# KiCad board temp sensor_panel.kicad_pcb (continued)
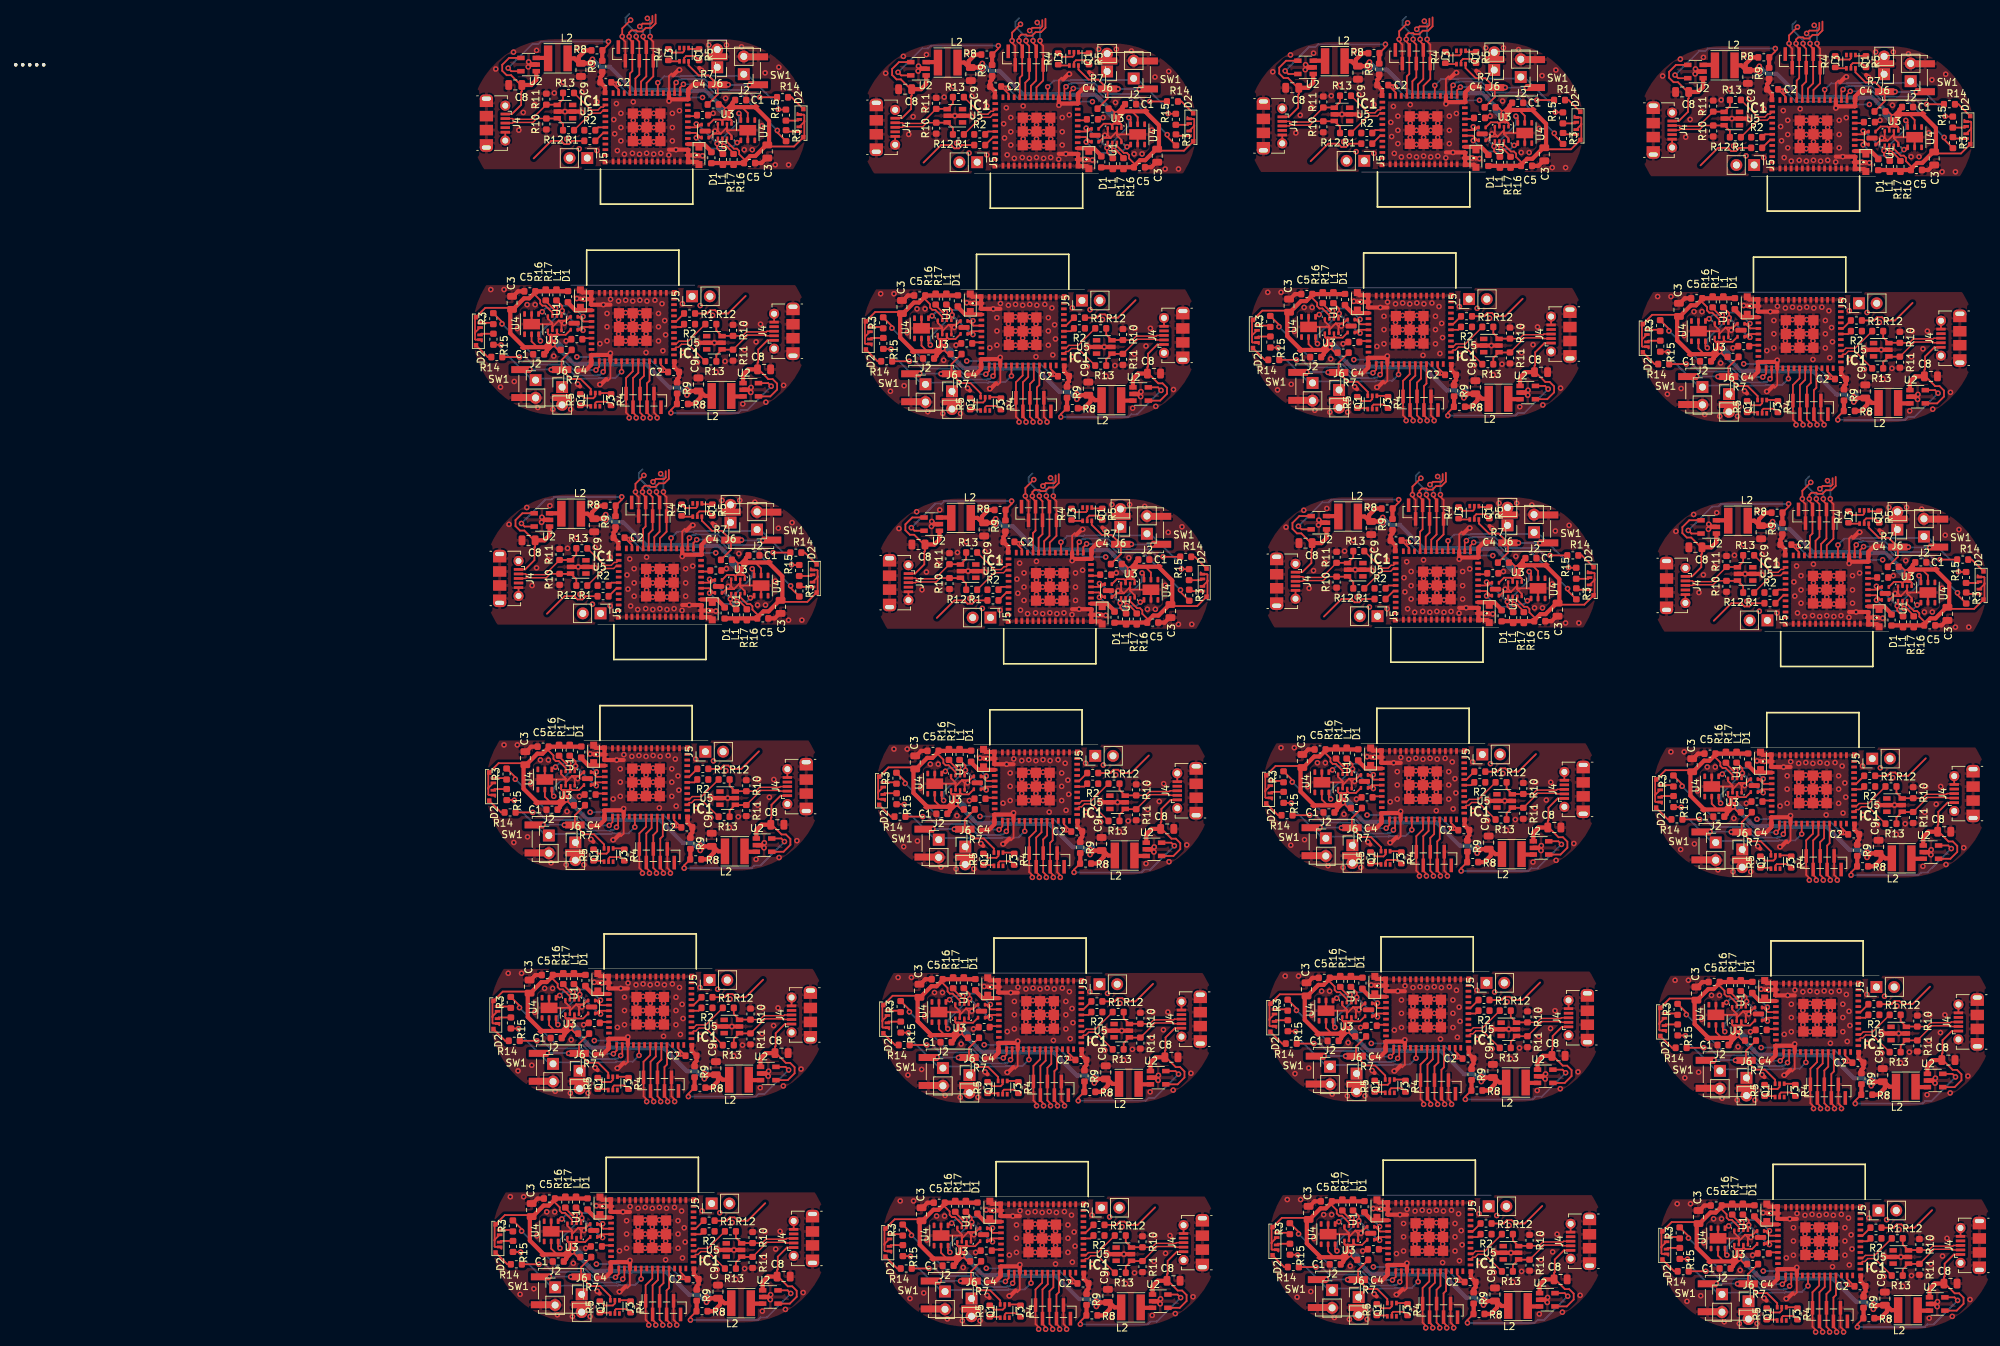
[diagram p0: board, top side]
## Routing (per net, layer and track width the routed paths; a pad name or vN(x,y) marks a point on that pad's centre or on a via; arc(x,y) is an arc through that point) (continued)
/IO33_pico: length 416.4
  Top w0.25: IC1.13 4.89,118.71 v1(4.66,118.48) ; v1(-7.32,120.6) R14.1 ; IC1#2.13 14.87,159.68 v1(15.1,159.91) ; v1(27.08,157.8) R14#2.1 ; IC1#4.13 60.69,118.11 v1(60.46,117.88) ; v1(48.48,120) R14#4.1 ; IC1#3.13 70.67,159.08 v1(70.9,159.31) ; v1(82.88,157.2) R14#3.1 ; IC1#6.13 116.09,118.31 v1(115.86,118.08) ; v1(103.88,120.2) R14#6.1 ; IC1#5.13 126.07,159.28 v1(126.3,159.51) ; v1(138.28,157.4) R14#5.1 ; v1(171.66,117.48) 171.89,117.71 IC1#8.13 ; v1(159.68,119.6) R14#8.1 ; IC1#7.13 181.87,158.68 v1(182.1,158.91) ; v1(194.08,156.8) R14#7.1 ; IC1#10.13 6.79,53.51 v1(6.56,53.28) ; v1(-5.42,55.4) R14#10.1 ; IC1#9.13 16.77,94.48 v1(17,94.71) ; v1(28.98,92.6) R14#9.1 ; v1(62.36,52.68) 62.59,52.91 IC1#13.13 ; v1(50.38,54.8) R14#13.1 ; IC1#12.13 72.57,93.88 v1(72.8,94.11) ; v1(84.78,92) R14#12.1 ; IC1#15.13 117.99,53.11 v1(117.76,52.88) ; v1(105.78,55) R14#15.1 ; v1(128.2,94.31) 127.97,94.08 IC1#14.13 ; v1(140.18,92.2) R14#14.1 ; IC1#11.13 173.79,52.51 v1(173.56,52.28) ; v1(161.58,54.4) R14#11.1 ; IC1#16.13 183.77,93.48 v1(184,93.71) ; v1(195.98,91.6) R14#16.1 ; IC1#18.13 7.39,20.81 v1(7.16,20.58) ; v1(-4.82,22.7) R14#18.1 ; IC1#20.13 63.19,20.21 v1(62.96,19.98) ; IC1#17.13 118.59,20.41 v1(118.36,20.18) ; v1(106.38,22.3) R14#17.1 ; IC1#19.13 174.39,19.81 v1(174.16,19.58) ; v1(162.18,21.7) R14#19.1 ; v1(50.98,22.1) R14#20.1 ; IC1#22.13 174.69,-12.19 v1(174.46,-12.42) ; v1(106.68,-9.7) R14#22.1 ; v1(118.66,-11.82) 118.89,-11.59 IC1#23.13 ; IC1#21.13 7.69,-11.19 v1(7.46,-11.42) ; v1(-4.52,-9.3) R14#21.1 ; IC1#24.13 63.49,-11.79 v1(63.26,-12.02) ; v1(162.48,-10.3) R14#23.1 ; v1(51.28,-9.9) R14#24.1
  Bottom w0.25: v1(-7.32,120.6) -6.5,120.6 -5.43,119.52 -0.96,119.52 0.59,117.97 3.78,117.97 3.86,118.05 4.23,118.05 v1(4.66,118.48) ; v1(27.08,157.8) 26.27,157.8 25.19,158.87 20.72,158.87 19.17,160.42 15.98,160.42 15.9,160.34 15.53,160.34 v1(15.1,159.91) ; v1(48.48,120) 49.3,120 50.37,118.92 54.84,118.92 56.39,117.37 59.58,117.37 59.66,117.45 60.03,117.45 v1(60.46,117.88) ; v1(70.9,159.31) 71.33,159.74 71.7,159.74 71.78,159.82 74.97,159.82 76.52,158.27 80.99,158.27 82.07,157.2 v1(82.88,157.2) ; v1(103.88,120.2) 104.7,120.2 105.77,119.12 110.24,119.12 111.79,117.57 114.98,117.57 115.06,117.65 115.43,117.65 v1(115.86,118.08) ; v1(126.3,159.51) 126.73,159.94 127.1,159.94 127.18,160.02 130.37,160.02 131.92,158.47 136.39,158.47 137.47,157.4 v1(138.28,157.4) ; v1(171.66,117.48) 171.23,117.05 170.86,117.05 170.78,116.97 167.59,116.97 166.04,118.52 161.57,118.52 160.5,119.6 v1(159.68,119.6) ; v1(194.08,156.8) 193.27,156.8 192.19,157.87 187.72,157.87 186.17,159.42 182.98,159.42 182.9,159.34 182.53,159.34 v1(182.1,158.91) ; v1(-5.42,55.4) -4.6,55.4 -3.53,54.32 0.94,54.32 2.49,52.77 5.68,52.77 5.76,52.85 6.13,52.85 v1(6.56,53.28) ; v1(17,94.71) 17.43,95.14 17.8,95.14 17.88,95.22 21.07,95.22 22.62,93.67 27.09,93.67 28.17,92.6 v1(28.98,92.6) ; v1(62.36,52.68) 61.93,52.25 61.56,52.25 61.48,52.17 58.29,52.17 56.74,53.72 52.27,53.72 51.2,54.8 v1(50.38,54.8) ; v1(84.78,92) 83.97,92 82.89,93.07 78.42,93.07 76.87,94.62 73.68,94.62 73.6,94.54 73.23,94.54 v1(72.8,94.11) ; v1(117.76,52.88) 117.33,52.45 116.96,52.45 116.88,52.37 113.69,52.37 112.14,53.92 107.67,53.92 106.6,55 v1(105.78,55) ; v1(140.18,92.2) 139.37,92.2 138.29,93.27 133.82,93.27 132.27,94.82 129.08,94.82 129,94.74 128.63,94.74 v1(128.2,94.31) ; v1(161.58,54.4) 162.4,54.4 163.47,53.32 167.94,53.32 169.49,51.77 172.68,51.77 172.76,51.85 173.13,51.85 v1(173.56,52.28) ; v1(195.98,91.6) 195.17,91.6 194.09,92.67 189.62,92.67 188.07,94.22 184.88,94.22 184.8,94.14 184.43,94.14 v1(184,93.71) ; v1(-4.82,22.7) -4,22.7 -2.93,21.62 1.54,21.62 3.09,20.07 6.28,20.07 6.36,20.15 6.73,20.15 v1(7.16,20.58) ; v1(50.98,22.1) 51.8,22.1 52.87,21.02 57.34,21.02 58.89,19.47 62.08,19.47 62.16,19.55 62.53,19.55 v1(62.96,19.98) ; v1(106.38,22.3) 107.2,22.3 108.27,21.22 112.74,21.22 114.29,19.67 117.48,19.67 117.56,19.75 117.93,19.75 v1(118.36,20.18) ; v1(162.18,21.7) 163,21.7 164.07,20.62 168.54,20.62 170.09,19.07 173.28,19.07 173.36,19.15 173.73,19.15 v1(174.16,19.58) ; v1(162.48,-10.3) 163.3,-10.3 164.37,-11.38 168.84,-11.38 170.39,-12.93 173.58,-12.93 173.66,-12.85 174.03,-12.85 v1(174.46,-12.42) ; v1(118.66,-11.82) 118.23,-12.25 117.86,-12.25 117.78,-12.33 114.59,-12.33 113.04,-10.78 108.57,-10.78 107.5,-9.7 v1(106.68,-9.7) ; v1(-4.52,-9.3) -3.7,-9.3 -2.63,-10.38 1.84,-10.38 3.39,-11.93 6.58,-11.93 6.66,-11.85 7.03,-11.85 v1(7.46,-11.42) ; v1(51.28,-9.9) 52.1,-9.9 53.17,-10.98 57.64,-10.98 59.19,-12.53 62.38,-12.53 62.46,-12.45 62.83,-12.45 v1(63.26,-12.02)
/RTS: length 37.2
  Top w0.25: Q1.1 2.76,113.67 R5.1 ; R5#2.1 17.01,164.72 Q1#2.1 ; R5#4.1 58.56,113.07 Q1#4.1 ; Q1#3.1 72.81,164.12 R5#3.1 ; R5#6.1 113.96,113.27 Q1#6.1 ; Q1#5.1 128.21,164.32 R5#5.1 ; Q1#8.1 169.76,112.67 R5#8.1 ; R5#7.1 184.01,163.72 Q1#7.1 ; R5#10.1 4.66,48.47 Q1#10.1 ; Q1#9.1 18.91,99.52 R5#9.1 ; Q1#13.1 60.46,47.87 R5#13.1 ; 76.08,98.92 74.71,98.92 Q1#12.1 ; R5#15.1 115.86,48.07 Q1#15.1 ; Q1#14.1 130.11,99.12 R5#14.1 ; Q1#11.1 171.66,47.47 R5#11.1 ; R5#16.1 185.91,98.52 Q1#16.1 ; R5#18.1 5.26,15.77 Q1#17.1 ; R5#20.1 61.06,15.17 Q1#19.1 ; R5#17.1 116.46,15.37 Q1#20.1 ; R5#19.1 172.26,14.77 Q1#18.1 ; R5#22.1 172.56,-17.23 Q1#21.1 ; Q1#24.1 116.76,-16.63 R5#23.1 ; R5#21.1 5.56,-16.23 Q1#22.1 ; R5#24.1 61.36,-16.83 Q1#23.1
/TDX0: length 210.9
  Top w0.25: 25.05,129.35 22.54,126.84 21.05,126.84 21.05,126.93 20.67,127.31 19.97,127.31 19.59,126.93 19.59,126.84 R1.2 ; R1#2.2 0.17,151.56 0.17,151.46 -0.21,151.08 -0.9,151.08 -1.28,151.46 -1.28,151.56 -2.78,151.56 -5.29,149.05 ; R1#4.2 75.39,126.24 75.39,126.33 75.77,126.71 76.47,126.71 76.85,126.33 76.85,126.24 78.34,126.24 80.85,128.75 ; R1#3.2 55.97,150.96 55.97,150.86 55.59,150.48 54.9,150.48 54.52,150.86 54.52,150.96 53.02,150.96 50.51,148.45 ; R1#6.2 130.79,126.44 130.79,126.53 131.17,126.91 131.87,126.91 132.25,126.53 132.25,126.44 133.74,126.44 136.25,128.95 ; R1#5.2 111.37,151.16 111.37,151.06 110.99,150.68 110.3,150.68 109.92,151.06 109.92,151.16 108.42,151.16 105.91,148.65 ; 192.05,128.35 189.54,125.84 188.05,125.84 188.05,125.93 187.67,126.31 186.97,126.31 186.59,125.93 186.59,125.84 R1#8.2 ; R1#7.2 167.17,150.56 167.17,150.46 166.79,150.08 166.1,150.08 165.72,150.46 165.72,150.56 164.22,150.56 161.71,148.05 ; R1#10.2 21.49,61.64 21.49,61.73 21.87,62.11 22.57,62.11 22.95,61.73 22.95,61.64 24.44,61.64 26.95,64.15 ; R1#9.2 2.07,86.36 2.07,86.26 1.69,85.88 1,85.88 0.62,86.26 0.62,86.36 -0.88,86.36 -3.39,83.85 ; 82.75,63.55 80.24,61.04 78.75,61.04 78.75,61.13 78.37,61.51 77.67,61.51 77.29,61.13 77.29,61.04 R1#13.2 ; R1#12.2 57.87,85.76 57.87,85.66 57.49,85.28 56.8,85.28 56.42,85.66 56.42,85.76 54.92,85.76 52.41,83.25 ; 138.15,63.75 135.64,61.24 134.15,61.24 134.15,61.33 133.77,61.71 133.07,61.71 132.69,61.33 132.69,61.24 R1#15.2 ; R1#14.2 113.27,85.96 113.27,85.86 112.89,85.48 112.2,85.48 111.82,85.86 111.82,85.96 110.32,85.96 107.81,83.45 ; 193.95,63.15 191.44,60.64 189.95,60.64 189.95,60.73 189.57,61.11 188.87,61.11 188.49,60.73 188.49,60.64 R1#11.2 ; 163.61,82.85 166.12,85.36 167.62,85.36 167.62,85.26 168,84.88 168.69,84.88 169.07,85.26 169.07,85.36 R1#16.2 ; 83.35,30.85 80.84,28.34 79.35,28.34 79.35,28.43 78.97,28.81 78.27,28.81 77.89,28.43 77.89,28.34 R1#20.2 ; R1#17.2 133.29,28.54 133.29,28.63 133.67,29.01 134.37,29.01 134.75,28.63 134.75,28.54 136.24,28.54 138.75,31.05 ; 194.55,30.45 192.04,27.94 190.55,27.94 190.55,28.03 190.17,28.41 189.47,28.41 189.09,28.03 189.09,27.94 R1#19.2 ; 27.55,31.45 25.04,28.94 23.55,28.94 23.55,29.03 23.17,29.41 22.47,29.41 22.09,29.03 22.09,28.94 R1#18.2 ; R1#24.2 78.19,-3.66 78.19,-3.57 78.57,-3.19 79.27,-3.19 79.65,-3.57 79.65,-3.66 81.14,-3.66 83.65,-1.15 ; 194.85,-1.55 192.34,-4.06 190.85,-4.06 190.85,-3.97 190.47,-3.59 189.77,-3.59 189.39,-3.97 189.39,-4.06 R1#22.2 ; R1#21.2 22.39,-3.06 22.39,-2.97 22.77,-2.59 23.47,-2.59 23.85,-2.97 23.85,-3.06 25.34,-3.06 27.85,-0.55 ; R1#23.2 133.59,-3.46 133.59,-3.37 133.97,-2.99 134.67,-2.99 135.05,-3.37 135.05,-3.46 136.54,-3.46 139.05,-0.95
  vias: v1(1.22,150.41) v1(3.12,85.21) v1(18.54,127.98) v1(20.44,62.78) v1(21.04,30.08) v1(21.34,-1.92) v1(57.02,149.81) v1(58.92,84.61) v1(74.34,127.38) v1(76.24,62.18) v1(76.84,29.48) v1(77.14,-2.52) v1(112.42,150.01) v1(114.32,84.81) v1(129.74,127.58) v1(131.64,62.38) v1(132.24,29.68) v1(132.54,-2.32) v1(168.22,149.41) v1(170.12,84.21) v1(185.54,126.98) v1(187.44,61.78) v1(188.04,29.08) v1(188.34,-2.92)
Net-(D2-Pad2): length 47.3
  Top w0.25: D2.2 -11.27,125.51 R3.2 ; D2#2.2 31.03,152.89 R3#2.2 ; D2#4.2 44.53,124.91 R3#4.2 ; R3#3.2 86.83,152.29 D2#3.2 ; D2#6.2 99.93,125.11 R3#6.2 ; R3#5.2 142.23,152.49 D2#5.2 ; R3#8.2 155.73,124.51 D2#8.2 ; R3#7.2 198.03,151.89 D2#7.2 ; D2#10.2 -9.37,60.31 R3#10.2 ; R3#9.2 32.93,87.69 D2#9.2 ; R3#13.2 46.43,59.71 D2#12.2 ; R3#12.2 88.73,87.09 D2#11.2 ; D2#14.2 101.83,59.91 R3#15.2 ; D2#13.2 144.13,87.29 R3#14.2 ; R3#11.2 157.63,59.31 D2#16.2 ; R3#16.2 199.93,86.69 D2#15.2 ; R3#20.2 47.03,27.01 D2#20.2 ; D2#18.2 102.43,27.21 R3#17.2 ; R3#19.2 158.23,26.61 D2#17.2 ; R3#18.2 -8.77,27.61 D2#19.2 ; D2#24.2 47.33,-4.99 R3#24.2 ; R3#21.2 158.53,-5.39 D2#21.2 ; R3#23.2 -8.47,-4.39 D2#22.2 ; D2#23.2 102.73,-4.79 R3#22.2
Net-(D2-Pad4): length 47.6
  Top w0.25: R15.2 -12.78,123.94 D2.4 ; D2#2.4 32.55,154.45 R15#2.2 ; D2#4.4 43.02,123.34 R15#4.2 ; D2#3.4 88.35,153.85 R15#3.2 ; D2#6.4 98.42,123.54 R15#6.2 ; D2#5.4 143.75,154.05 R15#5.2 ; R15#8.2 154.22,122.94 D2#8.4 ; R15#7.2 199.55,153.45 D2#7.4 ; D2#10.4 -10.88,58.74 R15#10.2 ; D2#9.4 34.45,89.25 R15#9.2 ; R15#13.2 44.92,58.14 D2#12.4 ; R15#12.2 90.25,88.65 D2#11.4 ; R15#15.2 100.32,58.34 D2#14.4 ; D2#13.4 145.65,88.85 R15#14.2 ; D2#16.4 156.12,57.74 R15#11.2 ; R15#16.2 201.45,88.25 D2#15.4 ; R15#18.2 -10.28,26.04 D2#19.4 ; D2#20.4 45.52,25.44 R15#20.2 ; R15#17.2 100.92,25.64 D2#18.4 ; D2#17.4 156.72,25.04 R15#19.2 ; R15#23.2 157.02,-6.96 D2#21.4 ; D2#23.4 101.22,-6.36 R15#21.2 ; R15#22.2 -9.98,-5.96 D2#22.4 ; D2#24.4 45.82,-6.56 R15#24.2
Net-(D2-Pad6): length 69.2
  Top w0.25: D2.6 -11.86,120.6 R14.2 ; D2#2.6 31.63,157.8 R14#2.2 ; D2#4.6 43.94,120 R14#4.2 ; D2#3.6 87.43,157.2 R14#3.2 ; D2#6.6 99.34,120.2 R14#6.2 ; D2#5.6 142.83,157.4 R14#5.2 ; 153.46,121.28 155.14,119.6 R14#8.2 ; D2#7.6 198.63,156.8 R14#7.2 ; D2#10.6 -9.96,55.4 R14#10.2 ; D2#9.6 33.53,92.6 R14#9.2 ; D2#12.6 45.84,54.8 R14#13.2 ; D2#11.6 89.33,92 R14#12.2 ; D2#14.6 101.24,55 R14#15.2 ; D2#13.6 144.73,92.2 R14#14.2 ; D2#16.6 157.04,54.4 R14#11.2 ; D2#15.6 200.53,91.6 R14#16.2 ; D2#19.6 -9.36,22.7 R14#18.2 ; R14#20.2 46.44,22.1 D2#20.6 ; R14#17.2 101.84,22.3 D2#18.6 ; 155.96,23.38 157.64,21.7 R14#19.2 ; 100.46,-8.02 102.14,-9.7 R14#22.2 ; -10.74,-7.62 -9.06,-9.3 R14#21.2 ; R14#24.2 46.74,-9.9 D2#24.6 ; D2#21.6 157.94,-10.3 R14#23.2
Net-(IC1-Pad30): length 38.7
  Top w0.25: R2.1 15.82,124.9 IC1.30 ; R2#2.1 3.95,153.49 IC1#2.30 ; R2#4.1 71.62,124.3 IC1#4.30 ; R2#3.1 59.75,152.89 IC1#3.30 ; R2#6.1 127.02,124.5 IC1#6.30 ; R2#5.1 115.15,153.09 IC1#5.30 ; R2#8.1 182.82,123.9 IC1#8.30 ; R2#7.1 170.95,152.49 IC1#7.30 ; R2#10.1 17.72,59.7 IC1#10.30 ; R2#9.1 5.85,88.29 IC1#9.30 ; R2#13.1 73.52,59.1 IC1#13.30 ; R2#12.1 61.65,87.69 IC1#12.30 ; R2#15.1 128.92,59.3 IC1#15.30 ; IC1#14.30 117.05,87.89 R2#14.1 ; R2#11.1 184.72,58.7 IC1#11.30 ; R2#16.1 172.85,87.29 IC1#16.30 ; R2#20.1 74.12,26.4 IC1#20.30 ; R2#17.1 129.52,26.6 IC1#17.30 ; R2#19.1 185.32,26 IC1#19.30 ; IC1#18.30 18.32,27 R2#18.1 ; R2#24.1 74.42,-5.6 IC1#24.30 ; IC1#22.30 185.62,-6 R2#21.1 ; IC1#21.30 18.62,-5 R2#23.1 ; R2#22.1 129.82,-5.4 IC1#23.30
Net-(IC1-Pad31): length 43.7
  Top w0.25: 16.23,126.62 16.01,126.62 15.09,125.7 IC1.31 ; 3.53,151.77 3.75,151.77 4.67,152.69 IC1#2.31 ; 72.03,126.02 71.81,126.02 70.89,125.1 IC1#4.31 ; IC1#3.31 60.47,152.09 59.55,151.17 59.33,151.17 ; 127.43,126.22 127.21,126.22 126.29,125.3 IC1#6.31 ; IC1#5.31 115.87,152.29 114.95,151.37 114.73,151.37 ; IC1#8.31 182.09,124.7 183.01,125.62 183.23,125.62 ; IC1#7.31 171.67,151.69 170.75,150.77 170.53,150.77 ; 18.13,61.42 17.91,61.42 16.99,60.5 IC1#10.31 ; IC1#9.31 6.57,87.49 5.65,86.57 5.43,86.57 ; IC1#13.31 72.79,59.9 73.71,60.82 73.93,60.82 ; IC1#12.31 62.37,86.89 61.45,85.97 61.23,85.97 ; 129.33,61.02 129.11,61.02 128.19,60.1 IC1#15.31 ; IC1#14.31 117.77,87.09 116.85,86.17 116.63,86.17 ; IC1#11.31 183.99,59.5 184.91,60.42 185.13,60.42 ; IC1#16.31 173.57,86.49 172.65,85.57 172.43,85.57 ; IC1#20.31 73.39,27.2 74.31,28.12 74.53,28.12 ; 129.93,28.32 129.71,28.32 128.79,27.4 IC1#17.31 ; IC1#19.31 184.59,26.8 185.51,27.72 185.73,27.72 ; IC1#18.31 17.59,27.8 18.51,28.72 18.73,28.72 ; 74.83,-3.88 74.61,-3.88 73.69,-4.8 IC1#24.31 ; IC1#22.31 184.89,-5.2 185.81,-4.28 186.03,-4.28 ; IC1#21.31 17.89,-4.2 18.81,-3.28 19.03,-3.28 ; 130.23,-3.68 130.01,-3.68 129.09,-4.6 IC1#23.31
Net-(L2-Pad1): length 41.2
  Top w0.6: L2.1 23.05,114.96 U2.3 ; L2#2.1 -3.29,163.43 -4.92,163.43 ; L2#4.1 78.85,114.36 U2#4.3 ; U2#3.3 52.51,162.83 L2#3.1 ; L2#6.1 134.25,114.56 U2#6.3 ; U2#5.3 107.91,163.03 L2#5.1 ; L2#8.1 190.05,113.96 U2#8.3 ; U2#7.3 163.71,162.43 L2#7.1 ; L2#10.1 24.95,49.76 U2#10.3 ; U2#9.3 -1.39,98.23 L2#9.1 ; L2#13.1 80.75,49.16 U2#13.3 ; U2#12.3 54.41,97.63 L2#12.1 ; L2#15.1 136.15,49.36 U2#15.3 ; U2#14.3 109.81,97.83 L2#14.1 ; L2#11.1 191.95,48.76 U2#11.3 ; U2#16.3 165.61,97.23 L2#16.1 ; L2#18.1 25.55,17.06 27.18,17.06 ; U2#19.3 81.35,16.46 L2#20.1 ; L2#17.1 136.75,16.66 U2#20.3 ; L2#19.1 192.55,16.06 U2#18.3 ; U2#24.3 137.05,-15.34 L2#22.1 ; L2#21.1 25.85,-14.94 U2#21.3 ; U2#23.3 81.65,-15.54 L2#24.1 ; L2#23.1 192.85,-15.94 U2#22.3
Net-(Q1-Pad2): length 72.1
  Top w0.25: Q1.2 3.53,114.01 3.72,114.2 5.26,114.2 R4.2 ; Q1#2.2 16.23,164.39 16.04,164.2 14.51,164.2 R4#2.2 ; Q1#4.2 59.33,113.41 59.52,113.6 61.06,113.6 R4#4.2 ; Q1#3.2 72.03,163.79 71.84,163.6 70.31,163.6 R4#3.2 ; Q1#6.2 114.73,113.61 114.92,113.8 116.46,113.8 R4#6.2 ; Q1#5.2 127.43,163.99 127.24,163.8 125.71,163.8 R4#5.2 ; Q1#8.2 170.53,113.01 170.72,113.2 172.26,113.2 R4#8.2 ; Q1#7.2 183.23,163.39 183.04,163.2 181.51,163.2 R4#7.2 ; Q1#10.2 5.43,48.81 5.62,49 7.16,49 R4#10.2 ; Q1#9.2 18.13,99.19 17.94,99 16.41,99 R4#9.2 ; Q1#13.2 61.23,48.21 61.42,48.4 62.96,48.4 R4#13.2 ; Q1#12.2 73.93,98.59 73.74,98.4 72.21,98.4 71.68,98.92 ; Q1#15.2 116.63,48.41 116.82,48.6 118.36,48.6 R4#15.2 ; Q1#14.2 129.33,98.79 129.14,98.6 127.61,98.6 R4#14.2 ; Q1#11.2 172.43,47.81 172.62,48 174.16,48 R4#11.2 ; Q1#16.2 185.13,98.19 184.94,98 183.41,98 R4#16.2 ; Q1#17.2 6.03,16.11 6.22,16.3 7.76,16.3 R4#18.2 ; R4#20.2 63.56,15.7 62.02,15.7 61.83,15.51 Q1#19.2 ; Q1#20.2 117.23,15.71 117.42,15.9 118.96,15.9 R4#17.2 ; Q1#18.2 173.03,15.11 173.22,15.3 174.76,15.3 R4#19.2 ; R4#21.2 119.26,-16.1 117.72,-16.1 117.53,-16.29 Q1#24.2 ; Q1#22.2 6.33,-15.89 6.52,-15.7 8.06,-15.7 R4#22.2 ; R4#24.2 63.86,-16.3 62.32,-16.3 62.13,-16.49 Q1#23.2 ; R4#23.2 175.06,-16.7 173.52,-16.7 173.33,-16.89 Q1#21.2
Net-(Q1-Pad5): length 71.7
  Top w0.25: Q1.5 3.53,114.99 3.24,114.7 2.01,114.7 R5.2 ; Q1#2.5 16.23,163.41 16.52,163.7 17.76,163.7 R5#2.2 ; Q1#4.5 59.33,114.39 59.04,114.1 57.81,114.1 R5#4.2 ; Q1#3.5 72.03,162.81 72.32,163.1 73.56,163.1 R5#3.2 ; Q1#6.5 114.73,114.59 114.44,114.3 113.21,114.3 112.58,114.92 ; Q1#5.5 127.43,163.01 127.72,163.3 128.96,163.3 R5#5.2 ; Q1#8.5 170.53,113.99 170.24,113.7 169.01,113.7 R5#8.2 ; Q1#7.5 183.23,162.41 183.52,162.7 184.76,162.7 R5#7.2 ; Q1#10.5 5.43,49.79 5.14,49.5 3.91,49.5 R5#10.2 ; Q1#9.5 18.13,98.21 18.42,98.5 19.66,98.5 R5#9.2 ; Q1#13.5 61.23,49.19 60.94,48.9 59.71,48.9 R5#13.2 ; Q1#12.5 73.93,97.61 74.22,97.9 75.46,97.9 R5#12.2 ; Q1#15.5 116.63,49.39 116.34,49.1 115.11,49.1 R5#15.2 ; Q1#14.5 129.33,97.81 129.62,98.1 130.86,98.1 131.48,97.47 ; Q1#11.5 172.43,48.79 172.14,48.5 170.91,48.5 R5#11.2 ; R5#16.2 186.66,97.5 185.42,97.5 185.13,97.21 Q1#16.5 ; Q1#17.5 6.03,17.09 5.74,16.8 4.51,16.8 R5#18.2 ; Q1#19.5 61.83,16.49 61.54,16.2 60.31,16.2 R5#20.2 ; R5#17.2 115.71,16.4 116.94,16.4 117.23,16.69 Q1#20.5 ; R5#19.2 171.51,15.8 172.74,15.8 173.03,16.09 Q1#18.5 ; Q1#24.5 117.53,-15.31 117.24,-15.6 116.01,-15.6 R5#23.2 ; Q1#22.5 6.33,-14.91 6.04,-15.2 4.81,-15.2 R5#21.2 ; Q1#23.5 62.13,-15.51 61.84,-15.8 60.61,-15.8 R5#24.2 ; Q1#21.5 173.33,-15.91 173.04,-16.2 171.81,-16.2 R5#22.2
Net-(R8-Pad1): length 505.7
  Top w0.25: v1(28.7,116.42) 28.26,116.86 U2.5 ; v1(14.35,112.61) 14.35,113.02 R8.1 ; v1(-8.94,161.97) -8.5,161.53 U2#2.5 ; v1(5.41,165.78) 5.41,165.37 R8#2.1 ; v1(84.5,115.82) 84.06,116.26 U2#4.5 ; v1(70.15,112.01) 70.15,112.42 R8#4.1 ; v1(61.21,165.18) 61.21,164.77 R8#3.1 ; 48.68,160.93 47.3,160.93 v1(46.86,161.37) ; v1(139.9,116.02) 139.46,116.46 U2#6.5 ; v1(125.55,112.21) 125.55,112.62 R8#6.1 ; v1(116.61,165.38) 116.61,164.97 R8#5.1 ; 104.08,161.13 102.7,161.13 v1(102.26,161.57) ; U2#8.5 195.26,115.86 v1(195.7,115.42) ; v1(181.35,111.61) 181.35,112.02 R8#8.1 ; U2#7.5 158.5,160.53 v1(158.06,160.97) ; v1(172.41,164.78) 172.41,164.37 R8#7.1 ; v1(30.6,51.22) 30.16,51.66 U2#10.5 ; v1(16.25,47.41) 16.25,47.82 R8#10.1 ; v1(7.31,100.58) 7.31,100.17 R8#9.1 ; U2#9.5 -6.6,96.33 v1(-7.04,96.77) ; 84.58,51.06 85.96,51.06 v1(86.4,50.62) ; v1(72.05,46.81) 72.05,47.22 R8#13.1 ; U2#12.5 49.2,95.73 v1(48.76,96.17) ; v1(63.11,99.98) 63.11,99.57 R8#12.1 ; v1(141.8,50.82) 141.36,51.26 139.98,51.26 ; v1(127.45,47.01) 127.45,47.42 R8#15.1 ; v1(118.51,100.18) 118.51,99.77 R8#14.1 ; U2#14.5 104.6,95.93 v1(104.16,96.37) ; U2#11.5 197.16,50.66 v1(197.6,50.22) ; v1(183.25,46.41) 183.25,46.82 R8#11.1 ; U2#16.5 160.4,95.33 v1(159.96,95.77) ; v1(174.31,99.58) 174.31,99.17 R8#16.1 ; v1(16.85,14.71) 16.85,15.12 R8#18.1 ; 29.38,18.96 30.76,18.96 v1(31.2,18.52) ; v1(72.65,14.11) 72.65,14.52 R8#20.1 ; v1(87,17.92) 86.56,18.36 U2#19.5 ; v1(128.05,14.31) 128.05,14.72 R8#17.1 ; v1(142.4,18.12) 141.96,18.56 U2#20.5 ; U2#18.5 197.76,17.96 v1(198.2,17.52) ; v1(183.85,13.71) 183.85,14.12 R8#19.1 ; v1(128.35,-17.69) 128.35,-17.28 R8#23.1 ; v1(142.7,-13.88) 142.26,-13.44 U2#24.5 ; v1(17.15,-17.29) 17.15,-16.88 R8#21.1 ; v1(31.5,-13.48) 31.06,-13.04 U2#21.5 ; U2#23.5 86.86,-13.64 v1(87.3,-14.08) ; v1(72.95,-17.89) 72.95,-17.48 R8#24.1 ; U2#22.5 198.06,-14.04 v1(198.5,-14.48) ; v1(184.15,-18.29) 184.15,-17.88 R8#22.1
  Top w0.6: R9.2 15.24,113.91 R8.1 ; R9#2.2 4.52,164.48 R8#2.1 ; R9#4.2 71.04,113.31 R8#4.1 ; R9#3.2 60.32,163.88 R8#3.1 ; R9#6.2 126.44,113.51 R8#6.1 ; R9#5.2 115.72,164.08 R8#5.1 ; R9#8.2 182.24,112.91 R8#8.1 ; R9#7.2 171.52,163.48 R8#7.1 ; R9#10.2 17.14,48.71 R8#10.1 ; R9#9.2 6.42,99.28 R8#9.1 ; R9#13.2 72.94,48.11 R8#13.1 ; R9#12.2 62.22,98.68 R8#12.1 ; R8#15.1 128.34,48.31 R9#15.2 ; R9#14.2 117.62,98.88 R8#14.1 ; R8#11.1 184.14,47.71 R9#11.2 ; R9#16.2 173.42,98.28 R8#16.1 ; R9#18.2 17.74,16.01 R8#18.1 ; R9#20.2 73.54,15.41 R8#20.1 ; R8#17.1 128.94,15.61 R9#17.2 ; R8#19.1 184.74,15.01 R9#19.2 ; R8#23.1 129.24,-16.39 R9#23.2 ; R9#21.2 18.04,-15.99 R8#21.1 ; R9#24.2 73.84,-16.59 R8#24.1 ; R9#22.2 185.04,-16.99 R8#22.1
  Bottom w0.25: v1(28.7,116.42) 27.56,115.28 27.56,115.28 25.27,112.99 24.38,112.99 24,112.61 v1(14.35,112.61) ; v1(-8.94,161.97) -7.8,163.11 -7.8,163.11 -5.51,165.4 -4.62,165.4 -4.24,165.78 v1(5.41,165.78) ; v1(84.5,115.82) 83.36,114.68 83.36,114.68 81.07,112.39 80.18,112.39 79.8,112.01 v1(70.15,112.01) ; v1(46.86,161.37) 48,162.51 48,162.51 50.29,164.8 51.18,164.8 51.56,165.18 v1(61.21,165.18) ; v1(139.9,116.02) 138.76,114.88 138.76,114.88 136.47,112.59 135.58,112.59 135.2,112.21 v1(125.55,112.21) ; v1(102.26,161.57) 103.4,162.71 103.4,162.71 105.69,165 106.58,165 106.96,165.38 v1(116.61,165.38) ; v1(195.7,115.42) 194.56,114.28 194.56,114.28 192.27,111.99 191.38,111.99 191,111.61 v1(181.35,111.61) ; v1(158.06,160.97) 159.2,162.11 159.2,162.11 161.49,164.4 162.38,164.4 162.76,164.78 v1(172.41,164.78) ; v1(30.6,51.22) 29.46,50.08 29.46,50.08 27.17,47.79 26.28,47.79 25.9,47.41 v1(16.25,47.41) ; v1(-7.04,96.77) -5.9,97.91 -5.9,97.91 -3.61,100.2 -2.72,100.2 -2.34,100.58 v1(7.31,100.58) ; v1(86.4,50.62) 85.26,49.48 85.26,49.48 82.97,47.19 82.08,47.19 81.7,46.81 v1(72.05,46.81) ; v1(48.76,96.17) 49.9,97.31 49.91,97.31 52.19,99.6 53.08,99.6 53.46,99.98 v1(63.11,99.98) ; v1(141.8,50.82) 140.66,49.68 140.66,49.68 138.37,47.39 137.48,47.39 137.1,47.01 v1(127.45,47.01) ; v1(104.16,96.37) 105.3,97.51 105.3,97.51 107.59,99.8 108.48,99.8 108.86,100.18 v1(118.51,100.18) ; v1(197.6,50.22) 196.46,49.08 196.46,49.08 194.17,46.79 193.28,46.79 192.9,46.41 v1(183.25,46.41) ; v1(159.96,95.77) 161.1,96.91 161.11,96.91 163.39,99.2 164.28,99.2 164.66,99.58 v1(174.31,99.58) ; v1(87,17.92) 85.86,16.78 85.86,16.78 83.57,14.49 82.68,14.49 82.3,14.11 v1(72.65,14.11) ; v1(142.4,18.12) 141.26,16.98 141.26,16.98 138.97,14.69 138.08,14.69 137.7,14.31 v1(128.05,14.31) ; v1(198.2,17.52) 197.06,16.38 197.06,16.38 194.77,14.09 193.88,14.09 193.5,13.71 v1(183.85,13.71) ; v1(31.2,18.52) 30.06,17.38 30.06,17.38 27.77,15.09 26.88,15.09 26.5,14.71 v1(16.85,14.71) ; v1(72.95,-17.89) 82.6,-17.89 82.98,-17.51 83.87,-17.51 86.16,-15.22 86.16,-15.22 v1(87.3,-14.08) ; v1(198.5,-14.48) 197.36,-15.62 197.36,-15.62 195.07,-17.91 194.18,-17.91 193.8,-18.29 v1(184.15,-18.29) ; v1(31.5,-13.48) 30.36,-14.62 30.36,-14.62 28.07,-16.91 27.18,-16.91 26.8,-17.29 v1(17.15,-17.29) ; v1(142.7,-13.88) 141.56,-15.02 141.56,-15.02 139.27,-17.31 138.38,-17.31 138,-17.69 v1(128.35,-17.69)

## Copper pours and planes (outline as drawn; the poured copper is in the pictures)
GND on Top: 36.32,109.06 -14.73,109.06 -14.73,137 36.32,137
GND on Top: -16.56,169.34 34.5,169.34 34.5,141.4 -16.56,141.4
GND on Top: 92.12,108.46 41.07,108.46 41.07,136.4 92.12,136.4
GND on Top: 39.24,168.74 90.3,168.74 90.3,140.8 39.24,140.8
GND on Top: 147.52,108.66 96.47,108.66 96.47,136.6 147.52,136.6
GND on Top: 150.44,168.34 201.5,168.34 201.5,140.4 150.44,140.4
GND on Top: 203.32,108.06 152.27,108.06 152.27,136 203.32,136
GND on Top: 94.64,168.94 145.7,168.94 145.7,141 94.64,141
GND on Top: 205.22,42.86 154.17,42.86 154.17,70.8 205.22,70.8
GND on Top: 152.34,103.14 203.4,103.14 203.4,75.2 152.34,75.2
GND on Top: 96.54,103.74 147.6,103.74 147.6,75.8 96.54,75.8
GND on Top: 38.22,43.86 -12.83,43.86 -12.83,71.8 38.22,71.8
GND on Top: 41.14,103.54 92.2,103.54 92.2,75.6 41.14,75.6
GND on Top: 94.02,43.26 42.97,43.26 42.97,71.2 94.02,71.2
GND on Top: 149.42,43.46 98.37,43.46 98.37,71.4 149.42,71.4
GND on Top: -14.66,104.14 36.4,104.14 36.4,76.2 -14.66,76.2
GND on Top: 205.82,10.16 154.77,10.16 154.77,38.1 205.82,38.1
GND on Top: 38.82,11.16 -12.23,11.16 -12.23,39.1 38.82,39.1
GND on Top: 94.62,10.56 43.57,10.56 43.57,38.5 94.62,38.5
GND on Top: 150.02,10.76 98.97,10.76 98.97,38.7 150.02,38.7
GND on Top: 206.12,-21.84 155.07,-21.84 155.07,6.1 206.12,6.1
GND on Top: 150.32,-21.24 99.27,-21.24 99.27,6.7 150.32,6.7
GND on Top: 94.92,-21.44 43.87,-21.44 43.87,6.5 94.92,6.5
GND on Top: 39.12,-20.84 -11.93,-20.84 -11.93,7.1 39.12,7.1
GND on Bottom: -14.73,109.06 36.32,109.06 36.32,137 -14.73,137
GND on Bottom: 34.5,169.34 -16.56,169.34 -16.56,141.4 34.5,141.4
GND on Bottom: 90.3,168.74 39.24,168.74 39.24,140.8 90.3,140.8
GND on Bottom: 41.07,108.46 92.12,108.46 92.12,136.4 41.07,136.4
GND on Bottom: 152.27,108.06 203.32,108.06 203.32,136 152.27,136
GND on Bottom: 145.7,168.94 94.64,168.94 94.64,141 145.7,141
GND on Bottom: 96.47,108.66 147.52,108.66 147.52,136.6 96.47,136.6
GND on Bottom: 201.5,168.34 150.44,168.34 150.44,140.4 201.5,140.4
GND on Bottom: 98.37,43.46 149.42,43.46 149.42,71.4 98.37,71.4
GND on Bottom: 203.4,103.14 152.34,103.14 152.34,75.2 203.4,75.2
GND on Bottom: 147.6,103.74 96.54,103.74 96.54,75.8 147.6,75.8
GND on Bottom: 42.97,43.26 94.02,43.26 94.02,71.2 42.97,71.2
GND on Bottom: 36.4,104.14 -14.66,104.14 -14.66,76.2 36.4,76.2
GND on Bottom: -12.83,43.86 38.22,43.86 38.22,71.8 -12.83,71.8
GND on Bottom: 154.17,42.86 205.22,42.86 205.22,70.8 154.17,70.8
GND on Bottom: 92.2,103.54 41.14,103.54 41.14,75.6 92.2,75.6
GND on Bottom: 43.57,10.56 94.62,10.56 94.62,38.5 43.57,38.5
GND on Bottom: 98.97,10.76 150.02,10.76 150.02,38.7 98.97,38.7
GND on Bottom: -12.23,11.16 38.82,11.16 38.82,39.1 -12.23,39.1
GND on Bottom: 154.77,10.16 205.82,10.16 205.82,38.1 154.77,38.1
GND on Bottom: 99.27,-21.24 150.32,-21.24 150.32,6.7 99.27,6.7
GND on Bottom: 43.87,-21.44 94.92,-21.44 94.92,6.5 43.87,6.5
GND on Bottom: 155.07,-21.84 206.12,-21.84 206.12,6.1 155.07,6.1
GND on Bottom: -11.93,-20.84 39.12,-20.84 39.12,7.1 -11.93,7.1
